# Allegro board DPU_PoE_A1_Oct-13.brd (continued)
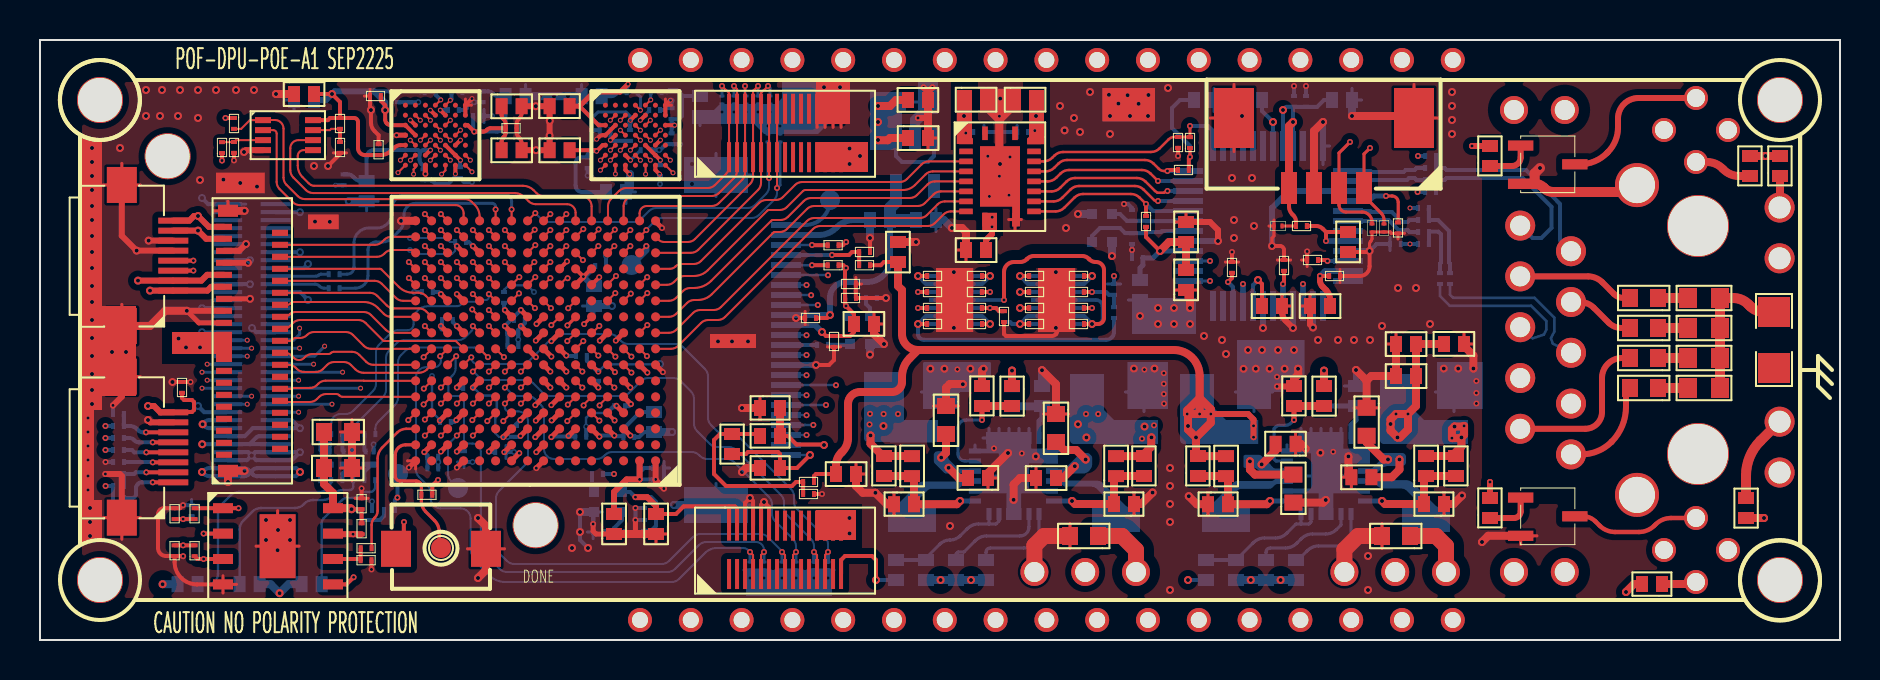
[diagram p0: board, top side]
## Routing (per net, layer and track width the routed paths; a pad name or vN(x,y) marks a point on that pad's centre or on a via; arc(x,y) is an arc through that point) (continued)
P1V0: length 108.3
  TOP w0.25: v1(25.58,10.98) 25.6,10.98 U5.D7 ; U5.H7 v1(26.32,14.22) ; v1(23.24,15.7) U5.J10 ; U5.C4 v1(28.72,10.22) ; U5.C7 v1(25.57,10.14) ; v1(24.04,16.5) 24.38,16.16 ; U5.B15 v1(19.21,9.39) ; U5.D9 v1(24.02,10.99) ; U5.C5 v1(27.97,10.17)
  TOP w0.3: C65.2 28.7,7.4 29.33,8.03 v1(29.98,8.03) U5.A2
  TOP w0.4: C53.2 43.59,9.2 R30.2 42.14,9.2 41.53,9.81 v3(41.53,10.23)
  GND-2 w0.15: v1(26.32,14.22) 26.79,14.69 26.79,15.91 26.5,16.2 24.34,16.2 v1(24.04,16.5) v1(23.24,15.7)
  SIG-3 w0.16: 24.9,12.2 30,12.2 ; 30,12.2 31.3,12.2 ; 30,12.2 29.42,12.78 arc(29.16,12.95) 28.86,13.01 26.22,13.01 arc(25.92,13.07) 25.66,13.24 25.35,13.55
  SIG-3 w0.2: 42.87,11.3 v1(42.9,11.3) ; 35.5,12.74 35.91,13.15 arc(36.12,13.47) 36.2,13.85 36.2,14.11 arc(36.39,14.56) 36.83,14.74 39.14,14.74 arc(39.52,14.67) 39.85,14.45 41.21,13.09 arc(41.42,12.77) 41.5,12.39 41.5,11.9 40.31,11.9 arc(39.93,11.98) 39.6,12.19 39.35,12.45 arc(39.02,12.66) 38.64,12.74 35.5,12.74 ; 35.5,12.74 32.2,12.74 arc(31.87,12.67) 31.58,12.48 31.3,12.2 31.3,9.76 arc(31.22,9.38) 31.01,9.06 v1(29.98,8.03) ; 42.18,10.71 v3(42.17,10.7)
  SIG-3 w0.25: 24.8,10.99 v1(24.02,10.99) 24.02,10.78 arc(23.98,10.63) 23.9,10.5 23.57,10.17 arc(23.3,9.76) 23.2,9.28 arc(23.03,8.87) 22.62,8.7 20.37,8.7 arc(19.94,8.79) 19.58,9.03 v1(19.21,9.39) ; 24.8,10.99 24.9,11.09 24.9,12.81 arc(24.95,13.08) 25.11,13.31 26.02,14.22 v1(26.32,14.22) ; 24.8,10.99 25.57,10.99 v1(25.58,10.98) 25.58,10.16 v1(25.57,10.14) 27.95,10.14 v1(27.97,10.17) 28.66,10.17 v1(28.72,10.22)
  SIG-3 w0.3: v1(42.18,11.3) 42.87,11.3 42.28,10.71 42.18,10.71 v1(42.18,11.3) ; v1(42.18,11.3) 42.17,11.31 v1(41.5,11.31) ; v1(41.5,11.31) 41.5,10.8 v1(41.48,10.78) ; v1(41.5,11.31) 41.5,11.9 ; v1(41.48,10.78) 42.09,10.78 v3(42.17,10.7) 41.7,10.23 v3(41.53,10.23) 41.48,10.28 v1(41.48,10.78)
  GND-5 w0.15: v1(26.32,14.22) 26.79,14.69 26.79,15.91 26.5,16.2 24.34,16.2 v1(24.04,16.5) v1(23.24,15.7)
  SIG-6 w0.25: 24.8,14.36 26.18,14.36 v1(26.32,14.22) ; 24.8,14.36 24.04,15.12 24.04,15.7 ; 24.8,14.36 24.8,14.35 24.8,10.99 ; v1(24.02,10.99) 24.8,10.99 ; 24.8,10.99 25.57,10.99 v1(25.58,10.98) 25.57,10.96 v1(25.57,10.14) ; 24.04,15.7 23.25,15.7 v1(23.24,15.7) ; 24.04,15.7 v1(24.04,16.5)
  GND-7 w0.15: v1(23.24,15.7) v1(24.04,16.5) 24.34,16.2 26.5,16.2 26.79,15.91 26.79,14.69 v1(26.32,14.22)
  BOTTOM w0.2: v1(24.04,16.5) 23.7,16.15 C110.1 23.55,16 v1(23.24,15.7) 23.37,15.57 C112.1 23.37,15.33 C113.2 ; C125.1 30,11.4 29.17,10.57 C128.1 29.13,10.19 28.75,10.19 v1(28.72,10.22) 28.02,10.22 v1(27.97,10.17) ; C114.1 26.34,14.2 v1(26.32,14.22) ; v1(19.21,9.39) 19.36,9.25 C131.1 19.37,9.15 C133.2 ; C126.1 23.8,10.78 v1(24.02,10.99) ; C132.2 30.2,8.6 29.98,8.38 v1(29.98,8.03) 30.62,8.03 C135.1 ; C127.2 25.59,10.17 v1(25.57,10.14)
P1V5: length 13
  TOP w0.2: C36.1 39.35,16.1 v3(39.5,16.25)
  BOTTOM w0.3: C100.1 42.5,19.04 arc(42.17,18.23) 41.36,17.9 40.3,17.9 arc(39.73,17.67) 39.5,17.11 v3(39.5,16.25) J7.10
  BOTTOM w0.6: C99.1 C100.1 42.5,21.6 42.8,21.9 U7.5
P1V8: length 336.8
  TOP w0.2: U2.E1 18.03,24.74 arc(17.85,24.7) 17.69,24.6 17.55,24.46 arc(17.31,24.3) 17.03,24.25 C11.2 16.25,24.25 arc(16,24.35) 15.9,24.6 15.9,25.9 arc(15.84,26.04) 15.7,26.1 R2.1 ; C64.2 v1(7.16,6.05) R42.2 ; C46.2 7.1,12.1 7.2,12 7.6,12 7.7,11.9 7.7,11.5 7.6,11.4 6.68,11.4 J4.8 ; R45.2 v1(7.16,4.73) C67.2 ; U2.F3 v2(19.52,24.49) ; U3.D2 v2(28.52,24.99) ; U2.E5 U2.F6 v2(21.02,23.99) ; v1(19.9,8) 19.61,7.71 R35.2 ; C2.2 17.04,26.96 17.26,26.74 v3(17.26,26.5) 17.26,26.02 arc(17.28,25.92) 17.33,25.84 17.36,25.81 arc(17.44,25.76) 17.54,25.74 U2.C1 U2.D2 ; 34.45,6.68 34.75,6.68 34.85,6.58 J5.4 ; 34.45,6.68 J5.2 ; 34.45,6.68 32.18,6.68 31.8,6.3 C66.2 ; C8.2 23.28,25.6 23.28,25.82 arc(23.26,25.93) 23.19,26.03 23.17,26.05 arc(23.1,26.15) 23.08,26.26 C6.1 ; C8.2 23.28,25.58 23.28,25.36 arc(23.26,25.25) 23.19,25.15 23.17,25.13 arc(23.1,25.03) 23.08,24.92 C12.1 ; C8.2 22.53,25.59 arc(22.44,25.57) 22.36,25.52 22.33,25.49 arc(22.25,25.44) 22.16,25.42 v1(21.71,25.42) 21.39,25.74 U2.C7 ; v1(40.31,19.9) 40.3,19.9 40.14,19.74 R12.1 ; C1.2 v3(14.6,27.3) 15,26.9 R2.1 ; U1.8 14.39,25.99 14.5,26.1 R2.1 ; U3.C7 v2(31.73,25.74) ; U3.E5 U3.F6 v2(31.02,23.99) ; R14.1 40.16,18.74 v1(40.3,18.6) 40.25,18.55 C26.1 40.25,17.11 C29.2 40.26,16.74 v1(40.3,16.7) 40.7,16.3 C37.2 40.7,15.4 40.5,15.2 C44.1 39.3,15.2 v3(39.1,15.4) ; U5.N6 v1(27.17,18.17) 27.56,18.56 U5.N5 ; U2.B5 v2(20.02,26.49) ; C13.2 27.78,24.49 v2(27.83,24.44) 28.13,24.74 U3.E1 ; U3.C1 27.93,25.74 26.98,26.69 ; R1.1 v1(9.27,26.1) ; R4.1 v1(9.1,23.97) ; C24.1 v3(52.6,18.2) ; R43.2 C63.1 v3(15.58,6.54) ; U3.F3 v2(29.52,23.99) ; U3.B5 v2(30.02,25.99)
  TOP w0.25: 23.58,16.16 v1(23.24,16.5) ; v1(27.99,14.97) U5.J4 ; v2(29.4,27.79) 29.01,27.4 27.69,27.4 26.98,26.69 C7.1 ; v1(21.64,19.7) U5.P12 ; U5.C8 v1(24.77,10.14) ; v1(20.82,10.99) U5.D13 ; U5.M6 27.13,18.11 27.13,18.13 v1(27.17,18.17) ; v1(20.04,17.3) U5.L14 ; v1(20.84,15.7) U5.J13 ; U5.F13 v1(20.84,12.62) ; v1(26.32,13.42) U5.G7 ; v1(22.44,9.42) U5.B11 ; U5.E3 v1(29.55,11.79) ; v1(27.92,12.62) U5.F5 ; v1(24.82,15.8) 25.18,16.16 ; U5.F8 v1(25.52,12.62) ; U5.F7 v1(26.32,12.62) ; U5.B13 v1(20.84,9.42)
  TOP w0.3: 9.2,17.66 8.56,17.66 8.37,17.47 J3.1 v3(5.5,17.47) ; v1(47.6,20.66) 47.6,20.3 47.3,20 C16.2 ; v1(29.77,7.14) 30.36,7.14 30.8,6.7 C66.2 ; v3(4.9,17.97) J3.2 8.07,17.97 8.36,18.26 Y1.31 ; J4.8 6.02,11.38 5.7,11.7 v3(5.4,11.7)
  TOP w0.4: v3(41.9,25) 41.91,24.99 42.39,24.99 42.5,25.1 C9.1 ; C5.2 42.8,27 42.5,26.7 v3(41.9,26.7) ; C149.1 C56.2 14.2,7.8 14.65,7.35 U6.8 15.53,6.59 v3(15.58,6.54) ; C54.2 55.2,9.2 R31.2 55.2,9.3 55.56,9.66 55.56,10.12 v3(55.57,10.13)
  VCC-4 w0.15: 21.1,19.7 20.7,20.1 15.9,20.1 15.9,20.1 ; 21.1,19.7 21.1,19.7 20.7,19.3 16,19.3 15.9,19.4 ; 21.1,19.7 v1(21.64,19.7) ; 20.82,12.62 v1(20.84,12.62) 21.24,12.22 21.24,11.42 v1(20.82,10.99) 20.44,11.37 20.44,12.24 20.82,12.62
  VCC-4 w0.25: 52.4,19.2 52.4,18.4 v3(52.6,18.2) 53.6,17.2 53.6,13 55.23,11.37 v3(55.23,10.67) ; 27.83,25 v2(27.83,24.44) ; 27.83,25 27.84,24.99 v2(28.52,24.99) ; 27.83,25 27.83,26.73 28.12,27.02 28.9,27.02 ; 29.3,27.7 29.4,27.7 v2(29.4,27.79) ; 29.3,27.7 29.4,27.6 31.3,27.6 31.73,27.17 v2(31.73,25.74) 31.73,25.23 31.02,24.52 v2(31.02,23.99) 31.02,22.92 30.8,22.7 29.7,22.7 29.52,22.88 v2(29.52,23.99) ; 29.3,27.7 29.3,27.42 28.9,27.02 ; 16.7,17.3 16.7,13.9 17.3,13.3 20.7,13.3 20.84,13.16 v1(20.84,12.62) ; 16.7,17.3 15.9,18.1 ; 16.7,17.3 v1(20.04,17.3) 20.04,17.26 20.84,16.46 v1(20.84,15.7) 20.84,15.16 21.1,14.9 23.7,14.9 ; v3(52.32,10.13) 51.9,10.55 v3(51.9,10.79) 51.9,10.9 v1(52.3,11.3) v1(52.91,11.3) ; v3(52.32,10.13) 55.04,10.13 v1(55.1,10.07) ; v3(52.32,10.13) 52.32,10.22 52.8,10.7 52.8,11.19 v1(52.91,11.3) ; 23.7,14.9 24.9,14.9 25.3,14.5 25.3,12.84 v1(25.52,12.62) ; 23.7,14.9 23.92,15.12 23.92,15.82 ; 15.9,18.1 15.9,23.98 17.26,25.34 ; 15.9,18.1 15.27,17.47 v3(5.5,17.47) 5,17.97 v3(4.9,17.97) ; v3(41,24.2) 40.6,23.8 v3(40.48,23.8) v3(40.48,24.57) 40.63,24.57 v3(41,24.2) ; v3(41,24.2) 41.1,24.2 v3(41.9,25) ; v1(20.84,9.42) v1(22.44,9.42) 22.44,9.44 23.14,10.14 v1(24.77,10.14) 24.8,10.18 24.8,12 25.42,12.62 v1(25.52,12.62) ; v1(27.17,18.17) 27.17,17.63 28.7,16.1 28.7,15.3 28.37,14.97 ; v3(41.9,26.7) v3(41.9,25.9) v3(41.9,25) ; 17.26,25.34 v3(17.26,26.5) 20.02,26.5 v2(20.02,26.49) 21.11,26.49 21.7,25.9 21.7,25.43 v1(21.71,25.42) 21.71,25.11 21.02,24.42 v2(21.02,23.99) ; 17.26,25.34 18.11,24.49 v2(19.52,24.49) ; v1(24.82,15.8) 24.81,15.82 23.92,15.82 ; v1(52.91,11.3) 53.6,11.3 54.2,10.7 55.2,10.7 v3(55.23,10.67) ; v1(25.52,12.62) v1(26.32,12.62) v1(26.32,13.42) ; v1(25.52,12.62) v1(26.32,13.42) ; v1(55.1,10.07) 55.51,10.07 v3(55.57,10.13) 55.7,10.26 v1(55.7,10.73) 55.64,10.67 v3(55.23,10.67) ; v1(55.1,10.07) 55.23,10.19 v3(55.23,10.67) ; 23.92,15.82 v1(23.24,16.5) ; 44.8,25 45.94,25 v1(46.29,25.35) 46.2,25.44 v3(46.2,26.2) ; 44.8,25 v3(41.9,25) ; 44.8,25 44.8,23.2 46.86,21.14 v1(47.61,21.14) 47.61,20.67 v1(47.6,20.66) 47.62,20.66 47.68,20.72 ; 28.37,14.97 30.93,14.97 31.7,14.2 31.7,13.4 30.1,11.8 29.55,11.8 v1(29.55,11.79) 28.75,11.79 v1(27.92,12.62) 27.92,13.42 27.34,14 26.9,14 v1(26.32,13.42) ; 28.37,14.97 v1(27.99,14.97) ; v3(39.1,15.4) 40.05,15.4 40.3,15.65 v1(40.3,16.7) v1(40.3,18.6) 40.31,18.61 v1(40.31,19.9) ; v2(30.02,25.99) 29.71,25.99 29.3,26.4 29.3,26.62 28.9,27.02
  VCC-4 w0.3: v3(15.58,6.54) 13.66,6.54 13.1,7.1 11.8,7.1 11.4,7.5 7.8,7.5 7,8.3 ; v3(5.4,11.7) 6.2,11.7 7,10.9 7,8.3 ; 13.74,26.14 9.31,26.14 v1(9.27,26.1) 9.1,25.93 v1(9.1,23.97) ; 13.74,26.14 14.6,26.99 v3(14.6,27.3) ; 13.74,26.14 15.9,23.98 ; v1(3.28,7.7) 3.92,7.7 4.3,8.07 4.3,9.85 4.05,10.1 v1(3.27,10.1) ; 7,8.3 6.3,7.6 6.3,6.4 6.65,6.05 v1(7.16,6.05) v1(7.16,4.73) ; v1(3.27,10.1) v1(3.27,9.5) ; v1(3.27,10.1) v1(3.27,10.7)
  SIG-6 w0.3: v1(29.77,7.14) 27.88,7.14 arc(27.67,7.18) 27.5,7.3 27.46,7.34 arc(27.28,7.46) 27.08,7.5 26.77,7.5 arc(26.34,7.59) 25.97,7.83 25.14,8.66 arc(24.86,9.07) 24.77,9.56 v1(24.77,10.14)
  BOTTOM w0.15: v2(30.02,25.99) 30.02,26.02 30.46,26.46 C81.2 ; C90.2 30.02,24.49 v2(29.52,23.99)
  BOTTOM w0.2: C84.2 21.66,25.47 v1(21.71,25.42) 22.86,25.42 arc(23.01,25.45) 23.14,25.54 23.28,25.68 C69.1 23.27,27.18 22.95,27.18 arc(22.8,27.21) 22.67,27.3 22.64,27.33 arc(22.52,27.41) 22.38,27.43 C70.2 21.16,27.43 R50.1 ; U7.1 42.8,24.2 43.1,23.9 44.4,23.9 44.7,24.2 U7.3 ; C129.2 22.46,9.4 v1(22.44,9.42) ; R51.2 18.98,27.39 18.94,27.43 C71.2 C72.2 16.7,27.43 ; C115.2 27.9,12.64 v1(27.92,12.62) ; R71.1 v1(3.27,10.1) ; C88.2 28.56,24.96 v2(28.52,24.99) 28.52,24.99 C85.2 ; 32.1,27.2 32.1,26.2 31.94,26.04 31.59,26.04 C83.2 31.58,25.89 v2(31.73,25.74) 31.58,25.59 C89.2 ; 32.1,27.2 32.1,27.25 31.84,27.5 31.48,27.5 31.37,27.39 R48.1 ; 32.1,27.2 C80.2 ; v3(15.58,6.54) 15.62,6.5 C137.2 16.06,6.1 16.16,6 17,6 17.2,6.2 R80.1 ; Y3.4 40.5,16.5 v1(40.3,16.7) 40.26,16.74 C29.2 ; C87.2 46.34,25.4 v1(46.29,25.35) ; C107.2 19.94,17.4 v1(20.04,17.3) ; C138.2 7.42,6.04 7.16,6.04 v1(7.16,6.05) ; v1(20.84,15.7) 20.64,15.89 C111.2 ; v1(3.28,7.7) R78.2 3.65,7.69 R79.1 ; U9.2 52.2,17.8 v3(52.6,18.2) U9.1 ; v2(21.02,23.99) 21,23.96 C93.2 ; v1(23.24,16.5) 23.2,16.54 C109.2 ; v1(27.17,18.17) 27.27,18.17 27.76,18.66 C104.2 ; C97.1 27.1,22.4 arc(26.87,22.49) 26.78,22.72 26.78,23.85 arc(26.86,24.05) 27.06,24.13 C91.2 27.38,24.24 arc(27.44,24.38) 27.58,24.44 v2(27.83,24.44) ; v1(20.82,10.99) 20.72,10.9 C124.2 ; R81.2 30.14,5.4 C139.2 30.56,5.46 30.8,5.7 30.8,6.9 30.56,7.14 C136.2 v1(29.77,7.14) 29.76,7.14 29.5,7.4 Y4.4 ; v1(20.84,12.62) 20.86,12.6 C116.2 ; C130.2 20.86,9.44 v1(20.84,9.42) ; R67.1 v1(3.27,10.7) ; 19.01,24.39 18.9,24.5 16.7,24.5 arc(16.44,24.39) 16.33,24.13 C96.1 16.09,22.94 arc(15.9,22.98) 15.73,23.09 15.65,23.17 arc(15.52,23.25) 15.38,23.28 C95.2 ; 19.01,24.39 arc(19.08,24.46) 19.18,24.49 19.52,24.49 v2(19.52,24.49) ; 19.01,24.39 arc(18.99,24.34) 18.98,24.29 18.98,24.01 arc(19,23.9) 19.07,23.8 19.18,23.69 C94.2 ; C92.2 31,23.97 v2(31.02,23.99) ; v1(29.55,11.79) 29.44,11.69 C123.2 ; v1(21.64,19.7) 21.44,19.9 C102.1 ; v2(29.4,27.79) 29.4,27.7 29.34,27.64 R49.2 29,27.39 arc(28.89,27.37) 28.79,27.3 28.77,27.28 arc(28.67,27.21) 28.56,27.19 C68.1 ; R72.1 v1(3.27,9.5) ; C82.2 20.02,26.5 v2(20.02,26.49)
  BOTTOM w0.3: J7.11 38.75,15.75 v3(39.1,15.4) ; C76.2 14.3,27 v3(14.6,27.3) 14.73,27.43 16.7,27.43 17.26,26.88 v3(17.26,26.5) ; v1(27.17,18.17) 27.64,17.7 C108.1
P2V8: length 45.1
  TOP w0.2: FB2.1 42.04,18.74 42.2,18.9 C18.2 ; FB3.1 38.7,8.2 38.8,8.3 C57.1
  TOP w0.3: v1(58.54,11.3) 60.4,11.3 60.68,11.02 v1(60.68,10.71) v1(60.68,10.14)
  TOP w0.4: v1(58.54,11.3) 58.54,10.87 v3(57.8,10.13) ; v1(58.54,11.3) v1(57.98,11.3) ; v1(58.54,11.3) 58.54,11.54 57.98,12.1 ; C57.1 39.8,8.73 arc(39.87,9.07) 40.06,9.36 40.12,9.42 arc(40.33,9.73) 40.4,10.09 40.4,11.8 arc(40.58,12.22) 41,12.4 42.6,12.4 arc(42.95,12.55) 43.1,12.9 43.1,13.16 arc(43.2,13.66) 43.48,14.08 43.9,14.5 ; v3(57.8,10.13) 57.8,9.3 R32.2 57.91,9.2 C55.2 ; v3(57.8,10.13) 57.4,10.53 v3(57.4,10.7) 57.4,11.26 v1(57.36,11.3) ; C18.2 42.9,17.7 43.1,17.5 43.1,15.3 arc(43.33,14.73) 43.9,14.5 ; 57.98,12.1 v1(57.98,11.3) ; 57.98,12.1 57.98,13.21 arc(57.6,14.12) 56.69,14.5 43.9,14.5 ; 57.98,12.1 57.36,11.48 v1(57.36,11.3) ; v1(57.98,11.3) v1(57.36,11.3)
P3V3: length 231.9
  TOP w0.15: D1.2 FB1.1
  TOP w0.157: v1(57.5,24.16) R3.1
  TOP w0.2: FB1.1 62.8,20.92 arc(62.77,21.09) 62.67,21.23 62.61,21.29 arc(62.49,21.47) 62.45,21.68 J2.4 ; R11.2 55.3,20.15 v3(56,19.45) ; C39.1 v3(47.5,15.8) ; C22.1 v3(47.5,18.2) ; R10.2 57.44,24.1 v1(57.5,24.16)
  TOP w0.3: J3.7 v3(7.9,20.47) 8.31,20.06 Y1.37 ; J3.8 7.47,20.97 7.7,21.2 v3(7.9,21.2) 8.44,20.66 9.2,20.66
  TOP w0.4: v3(56,19.45) 56.45,19.9 C143.1 C147.2 ; v3(79.3,2.4) 79.7,2.8 R47.2 ; v3(62.65,25.9) 62.45,25.7 J2.4 ; C145.2 C144.2 C146.2 68.8,11.7 v1(68.4,11.3) ; R8.2 v3(86.27,24.2) R9.2 ; v3(71.07,10.13) 71.04,10.09 v1(70.6,10.09) 70.6,10.54 v3(70.73,10.67) 71.17,10.67 v1(71.2,10.71) 71.2,10.26 v3(71.07,10.13) ; v3(71.07,10.13) 71.07,9.67 70.8,9.4 R33.2 C52.2 ; R41.2 v3(86.2,6.1) ; v1(68.4,11.3) 68.4,10.53 68,10.13 v3(67.87,10.13) 67.53,10.47 v3(67.53,10.8) 67.53,11.03 v1(67.8,11.3) v1(68.4,11.3)
  VCC-4 w0.102: v1(70.6,10.09) 70.63,10.13
  VCC-4 w0.25: v3(67.87,10.13) 67.5,10.5 67.5,10.77 v3(67.53,10.8) 67.53,11.03 v1(67.8,11.3) v1(68.4,11.3) ; v3(67.87,10.13) 67.91,10.09 v1(70.6,10.09) ; v3(67.87,10.13) 68.4,10.65 v1(68.4,11.3) ; 68.9,11.3 70.1,11.3 v3(70.73,10.67) ; 68.9,11.3 68.9,14.4 66.6,16.7 58.36,16.7 56.76,18.3 56,18.3 v3(56,19.45) 56,19.9 58.2,22.1 58.2,23.8 ; 68.9,11.3 v1(68.4,11.3) ; v3(70.73,10.67) 70.73,10.22 70.63,10.13 v3(71.07,10.13) 71.2,10.26 v1(71.2,10.71) 71.17,10.67 v3(70.73,10.67) ; 58.2,23.8 57.9,24.1 57.56,24.1 v1(57.5,24.16) ; 58.2,23.8 60.9,23.8 61.65,24.55 v3(61.65,25.9) ; v3(61.65,25.9) 61.65,26 v3(62.15,26.5) 62.15,26.4 v3(62.65,25.9) v3(61.65,25.9) ; v1(49.74,25.47) 49.8,25.53 v3(49.8,26.2)
  VCC-4 w0.35: 76.8,7.1 76.8,6.66 arc(76.87,6.32) 77.06,6.03 78.83,4.26 arc(79.18,3.74) 79.3,3.13 v3(79.3,2.4) ; 76.8,7.1 75.82,7.1 arc(75.16,7.23) 74.59,7.61 73.03,9.17 arc(72.66,9.41) 72.23,9.5 72.11,9.5 arc(71.73,9.58) 71.41,9.79 v3(71.07,10.13) ; 76.8,7.1 76.8,7.11 78.11,8.42 arc(78.4,8.86) 78.5,9.37 78.5,9.44 arc(78.6,9.96) 78.89,10.39 83.42,14.92 arc(83.97,15.29) 84.63,15.42 85.4,15.42 ; v3(86.27,24.2) 86.27,24.17 85.81,23.71 arc(85.51,23.26) 85.4,22.72 85.4,15.42 ; 85.4,15.42 85.4,7.43 arc(85.5,6.94) 85.78,6.52 v3(86.2,6.1)
  SIG-6 w0.25: v3(40.48,5.33) 40.47,5.33 v3(40.47,6.1) ; v3(7.9,21.2) 7.2,21.2 6.9,20.9 6.9,20.47 v3(7.9,20.47) ; 46.86,18.2 46.86,18.96 47.5,19.6 49.2,19.6 49.74,20.14 v1(49.74,25.47) 49.74,26.14 v3(49.8,26.2) ; 46.86,18.2 46.5,17.84 46.5,16.2 46.9,15.8 v3(47.5,15.8) ; 46.86,18.2 v3(47.5,18.2)
  SIG-6 w0.4: 6.9,20.47 6.5,20.07 6.5,16.7 5.65,15.85 5.65,14.25 4.5,13.1 4.5,5.7 6.9,3.3 13.7,3.3 14.5,2.5 16.7,2.5 17.4,3.2 31.3,3.2 34.2,6.1 v3(40.47,6.1) 40.47,8.17 41.3,9 43,9 44.2,10.2 44.2,12 43.3,12.9 43.3,14.2 43.8,14.7 47.1,14.7 47.5,15.1 v3(47.5,15.8)
  BOTTOM w0.102: C74.1 61.1,26.9
  BOTTOM w0.2: U10.2 47.1,17.8 v3(47.5,18.2) U10.1 ; v1(49.74,25.47) 49.67,25.4 C86.1 ; U10.6 47.1,16.2 v3(47.5,15.8) U10.7 ; C78.2 C77.2 63.86,26.66 64.2,27 C73.1 ; C78.2 62.65,26.61 v3(62.65,25.9) U8.45 ; C78.2 62.31,26.66 v3(62.15,26.5) U8.44 ; C75.1 57,27 56.6,26.6 56.6,25.6 57.5,24.7 v1(57.5,24.16) ; 61.1,26.9 61.1,26.45 v3(61.65,25.9) U8.43
  BOTTOM w0.25: U8.28 v3(56,19.45) 55.65,19.1 C103.2 55.14,18.74 55,18.6 C106.2
P3V3A: length 37.2
  TOP w0.157: C14.2 67.91,20.88 67.91,21.89 arc(67.82,22.11) 67.6,22.2 v1(67.3,22.2)
  TOP w0.2: C25.2 v1(64,18.2) ; v1(62.15,17.8) 62.2,17.85 C19.2 ; 64.3,20.4 64.14,20.56 arc(63.99,20.66) 63.81,20.7 FB1.2 ; 64.3,20.4 v1(64.3,19.95) ; 64.3,20.4 C15.2
  TOP w0.3: C32.2 64.5,17.03 arc(64.45,17.28) 64.31,17.49 64.12,17.68 arc(64.03,17.81) 64,17.97 v1(64,18.2)
  SIG-3 w0.3: v1(67.3,22.2) 67.5,22.4 v1(68.88,22.4) 68.9,22.42 v1(68.9,24.2)
  SIG-6 w0.3: v1(60.15,17.8) 60.15,18.65 60.5,19 61.5,19 62.15,18.35 v1(62.15,17.8) v1(63.15,17.8) 63.55,18.2 v1(64,18.2) 64.8,18.2 65.4,18.8 65.4,19.6 65.05,19.95 v1(64.3,19.95) 64.2,20.05 64.2,21.3 65.1,22.2 v1(67.3,22.2) 67.5,22.4 v1(68.88,22.4) 68.9,22.42 v1(68.9,24.2)
  BOTTOM w0.2: R91.2 v1(68.9,24.2) ; R92.2 v1(68.88,22.4)
  BOTTOM w0.25: v1(67.3,22.2) 66.7,22.2 66.45,21.95 U8.4
  BOTTOM w0.28: U8.11 64.25,18.45 v1(64,18.2) ; U8.17 v1(62.15,17.8) ; U8.21 v1(60.15,17.8) ; U8.8 v1(64.3,19.95) ; U8.15 v1(63.15,17.8)
P5V0: length 195.6
  TOP w0.2: v1(48.2,17) 48.2,18.4 arc(48.35,18.75) 48.7,18.9 49.01,18.9 arc(49.19,18.94) 49.34,19.04 49.36,19.06 arc(49.51,19.16) 49.69,19.2 52.11,19.2 arc(52.29,19.16) 52.44,19.06 52.47,19.03 arc(52.61,18.93) 52.78,18.9 52.8,18.9 arc(53.08,18.78) 53.2,18.5 53.2,16.1 arc(53.11,15.89) 52.9,15.8 v3(52.6,15.8) C41.1
  TOP w0.4: C59.2 45.94,8.1 v3(45.43,8.61) ; v3(52.28,9.02) 51.81,9.5 51.2,9.5 C50.2 ; R26.1 v3(64.2,13.47) ; C61.2 60.75,8.27 60.5,8.52 v3(60.5,8.93) ; v3(67.97,9.03) 67.97,8.52 67.59,8.14 C58.2 ; v3(61.08,8.78) 61.78,9.48 C51.2 ; v3(51.74,8.69) 51.15,8.1 C60.2 ; C49.2 66.33,9.88 67.18,9.03 v3(67.4,9.03) ; R25.1 v3(48.6,13.47) ; v3(45.06,9.12) 45.3,9.36 C48.2
  TOP w0.8: C151.1 69.8,5.2 70.3,4.7 J10.1 ; J11.1 54.8,4.5 54.1,5.2 C150.1
  SIG-3 w0.4: v3(6.13,2.79) 6.51,3.17 ; 6.51,3.17 6.54,3.2 11.98,3.2 ; 6.51,3.17 6.23,3.46 arc(6.06,3.71) 6,4.01 6,4.43 arc(5.88,5.05) 5.53,5.57 5.09,6.01 arc(4.65,6.66) 4.5,7.43 4.5,12.54 arc(4.64,13.24) 5.04,13.84 5.63,14.43 ; 11.98,3.2 12.88,3.2 arc(13.64,3.35) 14.28,3.78 14.6,4.1 arc(15.45,4.45) 16.3,4.1 16.71,3.69 arc(17.36,3.25) 18.13,3.1 38.83,3.1 arc(39.45,3.22) 39.97,3.57 40.17,3.77 arc(40.53,4.02) 40.96,4.1 41.04,4.1 arc(41.47,4.18) 41.83,4.43 44.12,6.72 arc(44.25,6.92) 44.3,7.15 44.3,7.48 ; 11.98,3.2 v3(11.98,2.34) ; 44.3,7.48 44.3,8.36 v3(45.06,9.12) ; 44.3,7.48 v3(45.43,8.61) ; 5.63,14.43 5.96,14.1 arc(6.37,13.93) 6.77,14.1 v3(7.3,14.63) ; 5.63,14.43 6.07,14.87 arc(6.29,15.02) 6.56,15.07 v3(6.93,15.07) 6.93,15 v3(7.3,14.63) ; v3(7.3,14.63) v3(8,14.63)
  VCC-4 w0.25: 49.33,11.1 48.95,11.48 arc(48.69,11.87) 48.6,12.32 v3(48.6,13.47) ; 49.33,11.1 51.03,12.8 arc(51.3,13.21) 51.4,13.69 51.4,14.08 arc(51.5,14.56) 51.77,14.97 v3(52.6,15.8) ; 49.33,11.1 v3(51.74,8.69) ; v3(67.4,9.03) 64.2,12.23 v3(64.2,13.47)
  VCC-4 w0.5: 69.1,5.5 69.1,7.9 v3(67.97,9.03) v3(67.4,9.03) 65.8,7.43 65.8,5.5 ; 69.1,5.5 70.3,4.3 J10.1 ; 69.1,5.5 65.8,5.5 ; v3(62.03,3) 62.03,5.47 62,5.5 ; 60.6,5.5 59.2,5.5 59.2,8.4 59.73,8.93 v3(60.5,8.93) 60.93,8.93 v3(61.08,8.78) 61.92,8.78 63.1,7.6 63.1,5.5 ; 60.6,5.5 62,5.5 ; 60.6,5.5 60.54,5.44 v3(60.54,3) ; 47.2,5.5 46.55,4.85 v3(46.55,3) ; 47.2,5.5 50,5.5 ; 47.2,5.5 47.2,8.1 46.69,8.61 v3(45.43,8.61) 45.06,8.98 v3(45.06,9.12) 44.32,9.12 43.7,8.5 43.7,6.8 ; 62,5.5 63.1,5.5 ; 63.1,5.5 65.8,5.5 ; J11.1 54.8,5.5 53.7,5.5 ; 53.7,5.5 53.7,7.61 v3(52.28,9.02) 51.95,8.69 v3(51.74,8.69) 50,6.95 50,5.5 ; 53.7,5.5 50,5.5 ; 45,3.03 v3(45.03,3)
  BOTTOM w0.18: U10.4 v1(48.2,17) ; v3(52.6,15.8) 52.89,15.8 arc(53.06,15.87) 53.13,16.04 53.13,16.66 arc(53.03,16.9) 52.79,17 U9.4
  BOTTOM w0.2: U9.6 52.2,16.2 v3(52.6,15.8) U9.7
  BOTTOM w0.3: R26.1 v3(64.2,13.47)
  BOTTOM w0.4: R83.2 v3(62.03,3) R84.2 v3(60.54,3) R85.2 ; R89.2 v3(45.03,3) R88.2 v3(46.55,3) R87.2 ; R65.2 v3(48.6,13.47) ; D19.2 11.53,2.79 v3(11.98,2.34) 12.43,2.79 D17.2 ; D18.2 v3(6.13,2.79)
ACTLED: length 33
  SIG-6 w0.15: v1(58.5,18.95) 58.74,18.71 arc(58.89,18.48) 58.95,18.2 58.95,17.45 arc(59.11,17.07) 59.49,16.91 74.18,16.91 arc(74.47,16.85) 74.71,16.69 75.55,15.85 arc(75.79,15.69) 76.08,15.63 83.21,15.63 arc(83.5,15.69) 83.74,15.85 U11.12
  BOTTOM w0.15: U8.27 v1(58.5,18.95)
C13: length 3.4
  TOP w0.102: v1(20.84,10.22) U5.C13
  BOTTOM w0.102: v1(20.84,10.22) 20.55,9.93 arc(20.44,9.76) 20.4,9.57 20.4,8.31 arc(20.44,8.12) 20.55,7.95 TP38.1
CENTER12: length 16.1
  TOP w0.3: C30.2 79.18,17.1 arc(78.92,17.15) 78.7,17.3 78.11,17.89 arc(77.79,18.1) 77.41,18.18 U11.3
  SIG-3 w0.6: U11.3 73.42,18.18 72,19.6 72,22.8 73.7,24.5 J6.1
CENTER56: length 15.3
  TOP w0.3: U11.4 77,16.9 arc(77.37,16.83) 77.69,16.61 78.43,15.87 arc(78.73,15.67) 79.08,15.6 C42.2
  SIG-3 w0.6: J6.2 76.24,25.16 76.9,24.5 76.9,22.15 78.7,20.35 78.7,18.4 77.2,16.9 U11.4
DBG_RXD: length 49.2
  TOP w0.157: 27.58,16.16 27.57,16.16 v1(27.21,15.8) ; D3.2 67.2,21.02 arc(67.17,21.19) 67.07,21.33 66.33,22.07 arc(66.23,22.21) 66.2,22.38 J2.1 66.2,24.3 v1(66.5,24.6)
  SIG-3 w0.102: v1(27.21,15.8) 27.37,15.96 arc(27.53,16.06) 27.71,16.1 29.8,16.1 arc(29.98,16.14) 30.14,16.24 30.16,16.26 arc(30.32,16.36) 30.5,16.4 31.39,16.4 arc(31.58,16.44) 31.75,16.55 37.65,22.45 arc(37.98,22.67) 38.37,22.75 44.51,22.75 arc(44.55,22.76) 44.58,22.78 46.55,24.75 arc(46.72,24.86) 46.91,24.9 48.79,24.9 arc(48.98,24.86) 49.15,24.75 49.25,24.65 arc(49.42,24.54) 49.61,24.5 53.79,24.5 arc(53.98,24.54) 54.15,24.65 54.55,25.05 arc(54.72,25.16) 54.91,25.2 60.79,25.2 arc(60.98,25.16) 61.15,25.05 61.35,24.85 arc(61.52,24.74) 61.71,24.7 63.99,24.7 arc(64.18,24.74) 64.35,24.85 64.85,25.35 arc(65.02,25.46) 65.21,25.5 66,25.5 arc(66.35,25.35) 66.5,25 v1(66.5,24.6)
DBG_TXD: length 49.2
  TOP w0.102: v1(27.16,14.94) U5.H6
  TOP w0.157: D2.2 66.6,20.9 arc(66.45,21.25) 66.1,21.4 65.3,21.4 arc(65.05,21.5) 64.95,21.75 J2.2 64.95,24.35 v1(65.5,24.9)
  SIG-3 w0.102: v1(27.16,14.94) 27.16,14.96 arc(27.27,15.23) 27.54,15.34 28.71,15.34 arc(28.85,15.31) 28.97,15.23 28.99,15.21 arc(29.11,15.13) 29.26,15.1 30.79,15.1 arc(30.98,15.14) 31.15,15.25 37.91,22.01 arc(37.94,22.03) 37.98,22.04 44.9,22.04 arc(45.31,22.12) 45.65,22.35 45.85,22.55 arc(46.02,22.66) 46.21,22.7 48.09,22.7 arc(48.28,22.74) 48.45,22.85 48.95,23.35 arc(49.12,23.46) 49.31,23.5 54.54,23.5 arc(54.73,23.54) 54.9,23.65 55.8,24.55 arc(55.96,24.66) 56.16,24.7 60.29,24.7 arc(60.48,24.66) 60.65,24.55 61.05,24.15 arc(61.22,24.04) 61.41,24 64.39,24 arc(64.58,24.04) 64.75,24.15 v1(65.5,24.9)
DONE: length 7.4
  TOP w0.16: TP18.1 19.96,4.69 19.96,5.41 arc(19.9,5.71) 19.73,5.97 19.28,6.42 arc(19.12,6.65) 19.07,6.93 R35.1 19.07,7.69 arc(18.99,7.87) 18.81,7.95 18.01,7.95 arc(17.83,8.02) 17.76,8.2 17.76,9.24 arc(17.91,9.61) 18.28,9.76 U5.B16
DVP_D0: length 17.9
  TOP w0.102: U5.E4 27.98,11.76 v1(27.98,11.73)
  SIG-6 w0.102: v1(39.3,11.75) 36.45,11.75 arc(36.34,11.71) 36.3,11.6 36.3,10.85 arc(36.2,10.6) 35.95,10.5 31.71,10.5 arc(31.52,10.46) 31.35,10.35 30.75,9.75 arc(30.58,9.64) 30.39,9.6 27.7,9.6 arc(27.58,9.65) 27.53,9.77 27.53,11.03 arc(27.55,11.17) 27.61,11.3 27.66,11.38 arc(27.69,11.42) 27.73,11.47 27.8,11.54 27.8,11.54 v1(27.98,11.73)
  BOTTOM w0.125: J7.19 v1(39.3,11.75)
DVP_D1: length 19.2
  TOP w0.102: v1(26.39,11.77) U5.E6
  SIG-6 w0.102: v1(26.39,11.77) 26.65,11.51 arc(26.76,11.34) 26.8,11.15 26.8,9 arc(26.89,8.79) 27.1,8.7 31.35,8.7 arc(31.54,8.74) 31.71,8.85 31.81,8.95 arc(31.98,9.06) 32.17,9.1 34.87,9.1 arc(34.94,9.13) 34.97,9.2 34.97,9.4 arc(35,9.47) 35.07,9.5 35.28,9.5 arc(35.35,9.47) 35.38,9.4 35.38,9.2 arc(35.41,9.13) 35.48,9.1 35.68,9.1 arc(35.75,9.13) 35.78,9.2 35.78,9.4 arc(35.81,9.47) 35.89,9.5 36.09,9.5 arc(36.16,9.47) 36.19,9.4 36.19,9.29 arc(36.21,9.21) 36.25,9.14 36.29,9.1 arc(36.45,9.04) 36.6,9.1 37.23,9.73 arc(37.34,9.9) 37.38,10.09 37.38,10.23 arc(37.42,10.42) 37.53,10.59 37.54,10.6 arc(37.71,10.71) 37.9,10.75 v1(38.67,10.75)
  BOTTOM w0.125: J7.21 38.23,10.75 38.24,10.75 v1(38.67,10.75)
DVP_D2: length 17.5
  TOP w0.102: v1(26.36,10.94) U5.D6
  SIG-6 w0.102: v1(38.33,10.25) 38.11,10.25 arc(37.9,9.94) 37.83,9.57 arc(37.8,9.44) 37.73,9.33 36.95,8.55 arc(36.78,8.44) 36.59,8.4 29.91,8.4 arc(29.72,8.36) 29.55,8.25 29.35,8.05 arc(29.18,7.94) 28.99,7.9 28.41,7.9 arc(28.22,7.94) 28.05,8.05 27.95,8.15 arc(27.78,8.26) 27.59,8.3 26.7,8.3 arc(26.35,8.45) 26.2,8.8 26.2,10.67 arc(26.22,10.77) 26.28,10.85 v1(26.36,10.94)
  BOTTOM w0.125: J7.22 v1(38.33,10.25)
DVP_D3: length 17.6
  TOP w0.102: v1(27.18,11.73) 27.18,11.76 U5.E5
  SIG-6 w0.102: v1(27.18,11.73) 27.18,9.33 arc(27.25,9.17) 27.41,9.1 30.85,9.1 arc(31.04,9.14) 31.21,9.25 31.81,9.85 arc(31.98,9.96) 32.17,10 32.89,10 32.99,9.9 32.99,9.7 33.09,9.6 33.3,9.6 33.4,9.7 33.4,9.9 33.5,10 33.7,10 33.8,9.9 33.8,9.7 33.91,9.6 34.11,9.6 34.21,9.7 34.21,9.9 34.31,10 36.39,10 arc(36.75,10.15) 36.9,10.51 36.9,10.73 arc(37.05,11.09) 37.41,11.24 v1(38.33,11.24)
  BOTTOM w0.125: J7.20 38.32,11.25 v1(38.33,11.24)
DVP_D4: length 18
  TOP w0.102: v1(27.97,10.97) U5.D5
  SIG-6 w0.102: v1(27.97,10.97) 28.19,10.75 arc(28.36,10.64) 28.55,10.6 29.18,10.6 arc(29.29,10.62) 29.38,10.68 29.48,10.78 arc(29.55,10.81) 29.62,10.78 30.18,10.22 arc(30.25,10.19) 30.32,10.22 30.47,10.37 arc(30.5,10.44) 30.47,10.51 29.91,11.07 arc(29.88,11.14) 29.91,11.21 30.05,11.35 arc(30.13,11.38) 30.2,11.35 30.75,10.8 arc(30.83,10.77) 30.9,10.8 31.04,10.94 arc(31.07,11.01) 31.04,11.09 30.49,11.64 arc(30.46,11.71) 30.49,11.79 30.7,12 arc(30.95,12.1) 31.2,12 31.27,11.93 arc(31.37,11.79) 31.4,11.61 31.4,11.4 arc(31.52,11.12) 31.8,11 35.5,11 arc(35.71,11.09) 35.8,11.3 35.8,12 arc(35.87,12.17) 36.04,12.24 v1(38.33,12.24)
  BOTTOM w0.125: J7.18 38.32,12.25 v1(38.33,12.24)
DVP_D5: length 18